# Altium PCB DB31.PcbDoc (part 1 of 8) (continued)
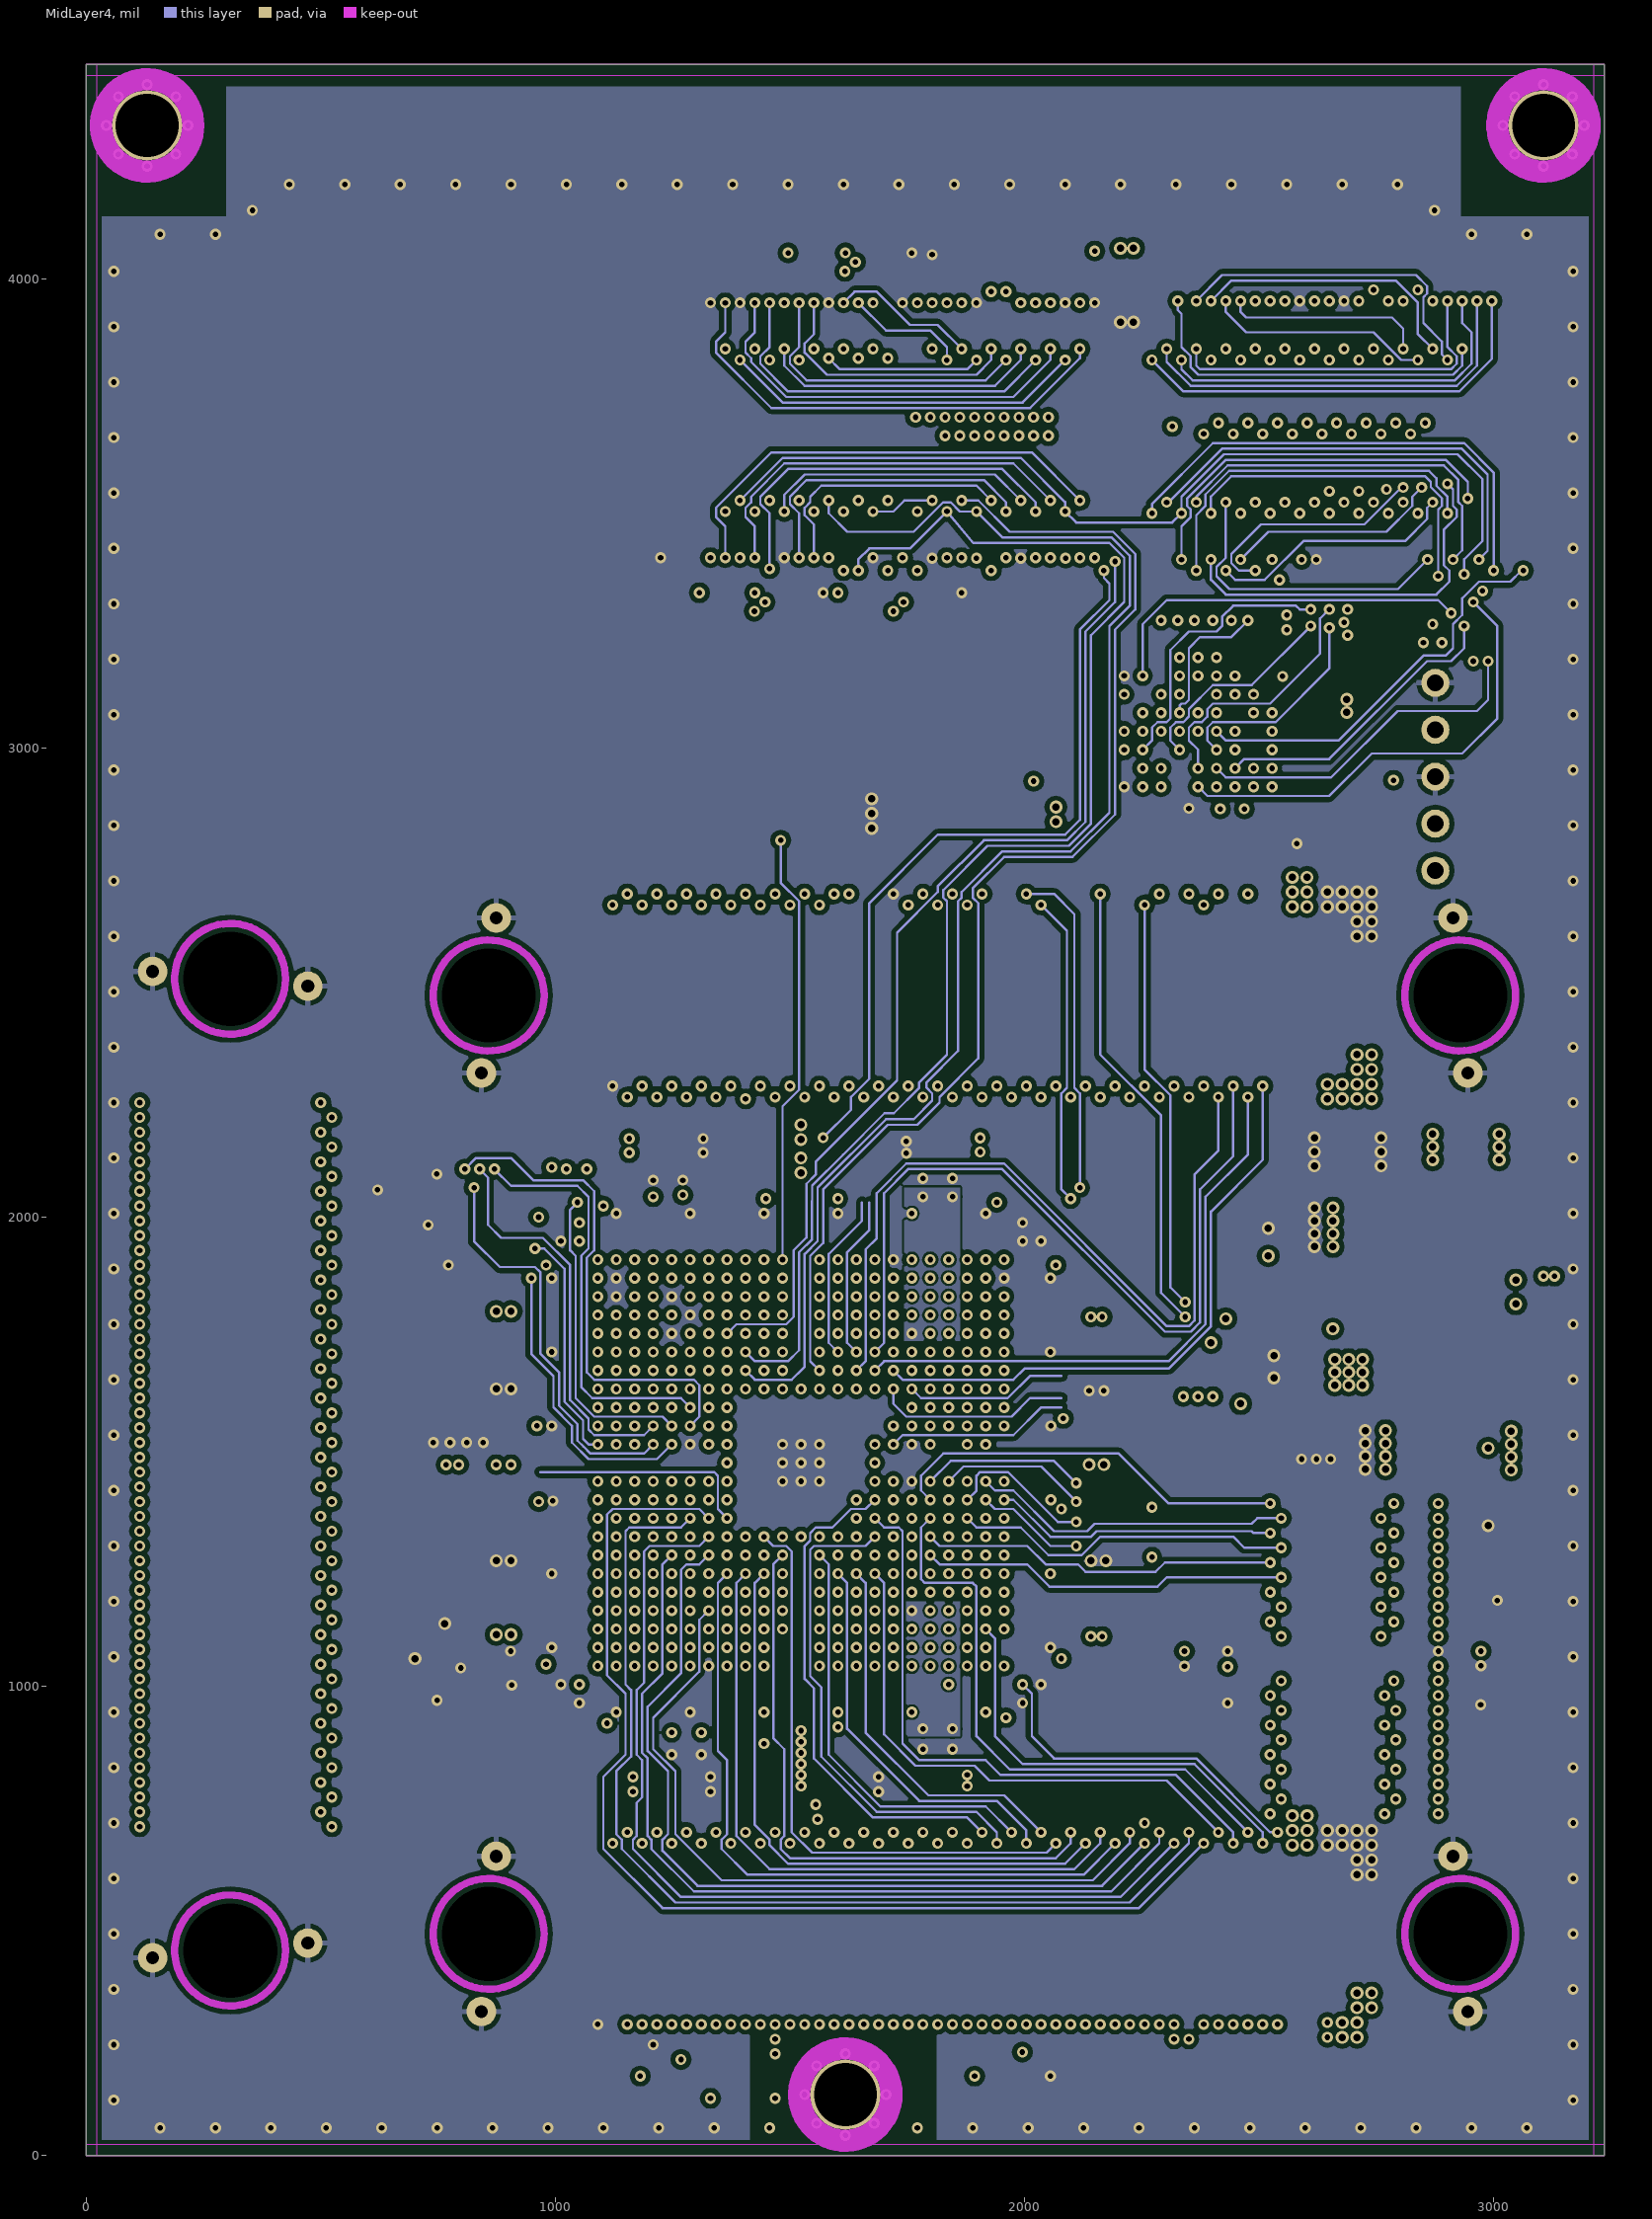
[diagram p7: MidLayer4]

## Layer stack, top to bottom
Top Solder: solder mask 0.4, Solder Resist, Dk 3.5
Top Layer: signal copper 1.7
Dielectric1: prepreg 5, FR-4, Dk 4.2
MidLayer1: signal copper 1.4
Dielectric2: core 10, FR-4, Dk 4.2
MidLayer2: signal copper 1.4
Dielectric3: prepreg 5, FR-4, Dk 4.2
GND-Layer5: plane copper 1.4, net GND
Dielectric6: core 10, FR-4, Dk 4.2
MidLayer3: signal copper 1.4
Dielectric4: prepreg 5, FR-4, Dk 4.2
VCC: plane copper 1.4, net (Multiple Nets)
Dielectric7: core 10, FR-4, Dk 4.2
MidLayer4: signal copper 1.4
Dielectric5: prepreg 5, FR-4, Dk 4.2
Bottom Layer: signal copper 1.7
Bottom Solder: solder mask 0.4, Solder Resist, Dk 3.5

## Board outline
0,0 0,4456.69 1523.62,4456.69 3236.22,4456.69 3236.22,0

## Design rules (kind name [scope] priority, off if disabled: settings)
Clearance Clearance_Poly_Tight [InNamedPolygon('FPGAPWR-BL-GND') Or InNamedPolygon('FPGAPWR-BL-1V2') Or InNamedPolygon('FPGAPWR-BL-3V3') Or InNamedPolygon('FPGAPWR-ML1-1V2') Or InNamedPolygon('FPGAPWR-TL-1V2') Or InNamedPolygon('1V2-CONNECT-TO-L1-C17' ) Or InNamedPolygon('VCCA_PLL1_BL') Or InNamedPolygon('VCCA_PLL1_MID3') Or InNamedPolygon('VCCA_PLL2_BL') Or InNamedPolygon('VCCA_PLL2_MID4') Or InNamedPolygon('VCCA_PLL3_BL') Or InNamedPolygon('VCCA_PLL3_MID3') Or InNamedPolygon('VCCA_PLL4_BL') Or InNamedPolygon('VCCA_PLL4_MID4') Or InNamedPolygon('top-layer-1V2') Or InNamedPolygon('1V2-BL') Or InNamedPolygon('LX') Or InNamedPolygon('AGND-TOP')] p1: gap=5
Clearance Clearance_Polygon [InPolygon] p2: gap=10
Clearance "Pad-Pad Clearance" [IsPad vs IsPad] p3: gap=5
Clearance "Via-Pad Clearance" [IsVia vs IsPad] p4: gap=3.94
Clearance "General Clearance" [All] p5: gap=5
ComponentClearance [All] p1 off: gap=7.87 collisioncheckmode=3 verticalgap=10 showdistances=FALSE
DiffPairsRouting [All] p1: maxlimit=5 minlimit=5 mostfreqgap=5 toplayer_minwidth=15 toplayer_maxwidth=15 toplayer_prefwidth=15 midlayer1_minwidth=15 midlayer1_maxwidth=15 midlayer1_prefwidth=15 midlayer2_minwidth=15 midlayer2_maxwidth=15 midlayer2_prefwidth=15 midlayer3_minwidth=15 midlayer3_maxwidth=15 midlayer3_prefwidth=15 midlayer4_minwidth=15 midlayer4_maxwidth=15 midlayer4_prefwidth=15 bottomlayer_minwidth=15 bottomlayer_maxwidth=15 bottomlayer_prefwidth=15 maxuncoupledlength=200
FabricationTestPointUsage TestPointUsage [All] p1 off: valid=0 allowmultiple=FALSE
FabricationTestpoint Testpoint [All] p1 off: side=3 testpointundercomponent=TRUE minsize=40 maxsize=100 preferedsize=60 minholesize=0 maxholesize=40 preferedholesize=32 testpointgrid=1 allowsidetop=TRUE allowsidebottom=TRUE usegrid=TRUE gridtolerance=0.01
HoleSize [All] p1: absolutevalues=TRUE maxlimit=204.72 minlimit=7.87 maxpercent=80.000 minpercent=20.000
HoleToHoleClearance [All] p1: gap=4 allowstackedmicrovias=TRUE
MatchedLengths DiffPair_MatchedLengths [(IsDifferentialPair And (Name = 'DIFF_RX1'))] p1: tolerance=1000 checknetsindiffpair=TRUE checkdiffpairvsdiffpair=TRUE checkothers=TRUE
MinimumAnnularRing MinimumAnnularRing_NonPlated [(ObjectKind = 'Pad') And (HoleDiameter >= '0.7') And (PadIsPlated = 'False')] p1: minimumring=-196.85
MinimumAnnularRing [All] p2: minimumring=5.91
MinimumSolderMaskSliver [All] p1: minsoldermaskwidth=3
PlaneClearance [All] p1: clearance=11.81
PlaneConnect [All] p1: planeconnectstyle=Direct reliefexpansion=19.68 reliefentries=4 reliefconductorwidth=9.84 reliefairgap=9.84
PolygonConnect PolygonConnect_Via [IsVia] p1: connectstyle=Direct reliefconductorwidth=10 reliefentries=4 polygonreliefangle="90 Angle" airgapwidth=10
PolygonConnect "PolygonConnect - Heatsink" [(HasFootprint('TO-263') AND InNet('VCCINT'))] p2: connectstyle=Direct reliefconductorwidth=10 reliefentries=4 polygonreliefangle="90 Angle" airgapwidth=10
PolygonConnect [All] p3: connectstyle=Relief reliefconductorwidth=11.81 reliefentries=4 polygonreliefangle="90 Angle" airgapwidth=10
RoutingVias [All] p1: holewidth=11.81 width=23.62 viastyle="Through Hole" minholewidth=11.81 minwidth=23.62 maxholewidth=19.68 maxwidth=35.43
ShortCircuit ShortCircuit_1 [Net = 'No Net' vs Net = 'No Net'] p1: allowed=TRUE
ShortCircuit [All] p2: allowed=FALSE
SilkToSilkClearance SilkToSilkClearance_InvToFill [(ObjectKind = 'Text') And (TextKind <> 'Stroke Font') vs IsFill] p1: silktosilkclearance=0
SilkToSilkClearance SilkToSilkClearance_Labels [(ObjectKind = 'Text') And (TextKind <> 'Stroke Font') vs (ObjectKind = 'Text') And (TextKind <> 'Stroke Font')] p2: silktosilkclearance=0
SilkToSilkClearance SilkToSilkClearance_Pb [(ObjectKind = 'Text') And (StringText = 'Pb') vs istrack and onsilkscreen] p3: silktosilkclearance=0
SilkToSilkClearance [All] p4: silktosilkclearance=2
SilkToSolderMaskClearance SilkscreenOverComponentPads [IsPad] p1: minsilkscreentomaskgap=2 clearancetoexposedcopper=TRUE
SolderMaskExpansion SolderMaskExpansion_Vias [IsVia] p1: expansion=-25.59
SolderMaskExpansion [All] p2: expansion=1.5
Width [All] p1: maxlimit=98.43 minlimit=5 preferedwidth=5
17 further rules are at their usual default settings.

## Classes and differential pairs
component class COM_SRAM: C150 C151 C152 C153 C154 C155 C156 C157 U10 U11
component class COM_SDRAM: C134 C135 C136 C137 C138 C139 C140 C141 U6 U7
component class U_PSU_MAX1831_1V2_ALT: C126 C127 C128 C129 C130 C131 C132 C133 L5 R19 R20 R21 R22 R23 TP7 TP8 U5
component class U_SRAM_K6R4016V1D-TC10T_256Kx162: C1_SM C2_SM C4_SM C146 C147 C148 C149 U1_SM U9
component class U_SRAM_K6R4016V1D-TC10T_256Kx161: C142 C143 C144 C145 U8
component class U_DaughterBoard_LEDS: C101 LED1 LED2 R1 R2 U2
component class COM_FLASH: C102 C103 C104 C105 C106 C107 U3
component class U_MOUNTS: "Altium Logo Bot1" "Altium Logo Top1" LB1 MH1 MH2 MH3
net class PLL: VCCA_PLL1 VCCA_PLL2 VCCA_PLL3 VCCA_PLL4
net class FPGACONF: CONF_DONE DATA0 DCLK FPGA_CCLK FPGA_DIN FPGA_DONE FPGA_INIT FPGA_M0 FPGA_M1 FPGA_PROGRAM FPGA_TCK FPGA_TDI FPGA_TDO FPGA_TMS MSEL0 MSEL1 NCONFIG NSTATUS TCK TDI TDO TMS
component class U_FPGA_Power: C108 C109 C110 C111 C112 C113 C114 C115 C116 C117 C118 C119 C120 C121 C122 C123 L1 L2 L3 L4
component class U_FPGA: D1 F1 J1_U NT2 NT3 NT4 NT5 NT6 NT7 NT8 R1HD R2HD R3 R3HD R4 R4HD R5 R6 R7 R8 R9 R10 R11 R12 R13 R14 R15 R16 R17 R18 R20 R25 R26 R27 U4
component class U_1WB_DS2406_EPROM: C1 C2 U1
net class SRAM2_D[15..0]: SRAM2_D0 SRAM2_D1 SRAM2_D2 SRAM2_D3 SRAM2_D4 SRAM2_D5 SRAM2_D6 SRAM2_D7 SRAM2_D8 SRAM2_D9 SRAM2_D10 SRAM2_D11 SRAM2_D12 SRAM2_D13 SRAM2_D14 SRAM2_D15
net class SRAM2_A[18..0]: SRAM2_A0 SRAM2_A1 SRAM2_A2 SRAM2_A3 SRAM2_A4 SRAM2_A5 SRAM2_A6 SRAM2_A7 SRAM2_A8 SRAM2_A9 SRAM2_A10 SRAM2_A11 SRAM2_A12 SRAM2_A13 SRAM2_A14 SRAM2_A15 SRAM2_A16 SRAM2_A17 SRAM2_A18
net class SRAM1_D[15..0]: SRAM1_D0 SRAM1_D1 SRAM1_D2 SRAM1_D3 SRAM1_D4 SRAM1_D5 SRAM1_D6 SRAM1_D7 SRAM1_D8 SRAM1_D9 SRAM1_D10 SRAM1_D11 SRAM1_D12 SRAM1_D13 SRAM1_D14 SRAM1_D15
net class SRAM1_A[18..0]: SRAM1_A0 SRAM1_A1 SRAM1_A2 SRAM1_A3 SRAM1_A4 SRAM1_A5 SRAM1_A6 SRAM1_A7 SRAM1_A8 SRAM1_A9 SRAM1_A10 SRAM1_A11 SRAM1_A12 SRAM1_A13 SRAM1_A14 SRAM1_A15 SRAM1_A16 SRAM1_A17 SRAM1_A18
component class U_PSU: C124 C125 NT8 TP1 TP2 TP3 TP4 TP5
net class EXTEND_C[49..0]: EXTEND_C0 EXTEND_C1 EXTEND_C2 EXTEND_C3 EXTEND_C4 EXTEND_C5 EXTEND_C6 EXTEND_C7 EXTEND_C8 EXTEND_C9 EXTEND_C10 EXTEND_C11 EXTEND_C12 EXTEND_C13 EXTEND_C14 EXTEND_C15 EXTEND_C16 EXTEND_C17 EXTEND_C18 EXTEND_C19 EXTEND_C20 EXTEND_C21 EXTEND_C22 EXTEND_C23 EXTEND_C24 EXTEND_C25 EXTEND_C26 EXTEND_C27 EXTEND_C28 EXTEND_C29 EXTEND_C30 EXTEND_C31 EXTEND_C32 EXTEND_C33 EXTEND_C34 EXTEND_C35 EXTEND_C36 EXTEND_C37 EXTEND_C38 EXTEND_C39 EXTEND_C40 EXTEND_C41 EXTEND_C42 EXTEND_C43 EXTEND_C44 EXTEND_C45 EXTEND_C46 EXTEND_C47 EXTEND_C48 EXTEND_C49
net class EXTEND_B[49..0]: EXTEND_B0 EXTEND_B1 EXTEND_B2 EXTEND_B3 EXTEND_B4 EXTEND_B5 EXTEND_B6 EXTEND_B7 EXTEND_B8 EXTEND_B9 EXTEND_B10 EXTEND_B11 EXTEND_B12 EXTEND_B13 EXTEND_B14 EXTEND_B15 EXTEND_B16 EXTEND_B17 EXTEND_B18 EXTEND_B19 EXTEND_B20 EXTEND_B21 EXTEND_B22 EXTEND_B23 EXTEND_B24 EXTEND_B25 EXTEND_B26 EXTEND_B27 EXTEND_B28 EXTEND_B29 EXTEND_B30 EXTEND_B31 EXTEND_B32 EXTEND_B33 EXTEND_B34 EXTEND_B35 EXTEND_B36 EXTEND_B37 EXTEND_B38 EXTEND_B39 EXTEND_B40 EXTEND_B41 EXTEND_B42 EXTEND_B43 EXTEND_B44 EXTEND_B45 EXTEND_B46 EXTEND_B47 EXTEND_B48 EXTEND_B49
net class EXTEND_A[49..0]: EXTEND_A0 EXTEND_A1 EXTEND_A2 EXTEND_A3 EXTEND_A4 EXTEND_A5 EXTEND_A6 EXTEND_A7 EXTEND_A8 EXTEND_A9 EXTEND_A10 EXTEND_A11 EXTEND_A12 EXTEND_A13 EXTEND_A14 EXTEND_A15 EXTEND_A16 EXTEND_A17 EXTEND_A18 EXTEND_A19 EXTEND_A20 EXTEND_A21 EXTEND_A22 EXTEND_A23 EXTEND_A24 EXTEND_A25 EXTEND_A26 EXTEND_A27 EXTEND_A28 EXTEND_A29 EXTEND_A30 EXTEND_A31 EXTEND_A32 EXTEND_A33 EXTEND_A34 EXTEND_A35 EXTEND_A36 EXTEND_A37 EXTEND_A38 EXTEND_A39 EXTEND_A40 EXTEND_A41 EXTEND_A42 EXTEND_A43 EXTEND_A44 EXTEND_A45 EXTEND_A46 EXTEND_A47 EXTEND_A48 EXTEND_A49
net class DAU_TFT_RED[4..0]: DAU_TFT_RED0 DAU_TFT_RED1 DAU_TFT_RED2 DAU_TFT_RED3 DAU_TFT_RED4
net class DAU_TFT_GREEN[5..0]: DAU_TFT_GREEN0 DAU_TFT_GREEN1 DAU_TFT_GREEN2 DAU_TFT_GREEN3 DAU_TFT_GREEN4 DAU_TFT_GREEN5
net class DAU_TFT_CL[3..1]: DAU_TFT_CL1 DAU_TFT_CL2 DAU_TFT_CL3
net class DAU_TFT_BLUE[4..0]: DAU_TFT_BLUE0 DAU_TFT_BLUE1 DAU_TFT_BLUE2 DAU_TFT_BLUE3 DAU_TFT_BLUE4
net class BUS_A[24..1]: BUS_A1 BUS_A2 BUS_A3 BUS_A4 BUS_A5 BUS_A6 BUS_A7 BUS_A8 BUS_A9 BUS_A10 BUS_A11 BUS_A12 BUS_A13 BUS_A14 BUS_A15 BUS_A16 BUS_A17 BUS_A18 BUS_A19 BUS_A20 BUS_A21 BUS_A22 BUS_A23 BUS_A24
component class U_Bypass_Board: C1_PSU C4_MB C6_MB C99 C100
component class U_Bypass_3V3: C35 C36 C37 C38 C39 C40 C41 C42 C43 C44 C45 C46 C47 C48 C49 C50 C51 C52 C53 C54 C55 C56 C57 C58 C59 C60 C61 C62 C63 C64 C65 C66 C67 C68 C69 C70 C71 C72 C73 C74 C75 C76 C77 C78 C79 C80 C81 C82 C83 C84 C85 C86 C87 C88 C89 C90 C91 C92 C93 C94 C95 C96 C97 C98 C102_FP C103_FP C104_FP C105_FP C106_FP
component class U_Bypass_1V2: C3 C4 C5 C6 C7 C8 C9 C10 C11 C12 C13 C14 C15 C16 C17 C18 C19 C20 C21 C22 C23 C24 C25 C26 C27 C28 C29 C30 C31 C32 C33 C34
component class U_MotherBoardConnectors: HDR_B1 HDR_L HDR_L1 HDR_T1 NT1
net class BUS_D[31..0]: BUS_D0 BUS_D1 BUS_D2 BUS_D3 BUS_D4 BUS_D5 BUS_D6 BUS_D7 BUS_D8 BUS_D9 BUS_D10 BUS_D11 BUS_D12 BUS_D13 BUS_D14 BUS_D15 BUS_D16 BUS_D17 BUS_D18 BUS_D19 BUS_D20 BUS_D21 BUS_D22 BUS_D23 BUS_D24 BUS_D25 BUS_D26 BUS_D27 BUS_D28 BUS_D29 BUS_D30 BUS_D31
net class BUS_NBE[3..0]: BUS_NBE0 BUS_NBE1 BUS_NBE2 BUS_NBE3
net class DIP[7..0]: DIP0 DIP1 DIP2 DIP3 DIP4 DIP5 DIP6 DIP7
net class FPGA_ID[3..0]: FPGA_ID0 FPGA_ID1 FPGA_ID2 FPGA_ID3
net class FPGA_M[2..0]: FPGA_M0 FPGA_M1 FPGA_M2
net class IO[35..0]: IO0 IO1 IO2 IO3 IO4 IO5 IO6 IO7 IO8 IO9 IO10 IO11 IO12 IO13 IO14 IO15 IO16 IO17 IO18 IO19 IO20 IO21 IO22 IO23 IO24 IO25 IO26 IO27 IO28 IO29 IO30 IO31 IO32 IO33 IO34 IO35
net class LED[7..0]: LED0 LED1 LED2 LED3 LED4 LED5 LED6 LED7
net class SW[4..0]: SW0 SW1 SW2 SW3 SW4
differential pair class DIFF_IN: DIFF_RX0 DIFF_RX1 DIFF_RX2 DIFF_RX3
differential pair class DIFF_OUT: DIFF_TX0 DIFF_TX1 DIFF_TX2 DIFF_TX3
net class PWRNET: 1V2 3V3 5V0 AGND GND
component class U_CommonMemory_Termination: RN1 RN2 RN3 RN4 RN5 RN6
component class U_DB31_Hardware_Kit: PCB1
channel class SRAM_256Kx16_TSOP44: U_SRAM_K6R4016V1D-TC10T_256Kx161 U_SRAM_K6R4016V1D-TC10T_256Kx162

## Components (designator, comment, footprint, x,y, rotation, side; value= is the part's Value field where it differs from the comment)
"Altium Logo Bot1" "Altium" Logo-Altium 2177.17,129.92 r180 bottom
"Altium Logo Top1" "Altium" Logo-Altium 1051.18,129.92 r0 top
C1 "0.1uF 16V" CAPC1005-STAR 2807.08,3015.74 r180 bottom
C2 "10nF 16V" CAPC1005-STAR 2807.08,2968.5 r0 bottom
C3 "220uF 10V" CAPC7343-STAR 2492.13,1551.18 r0 bottom (schematic designator C5_MB)
C4 "10uF 10V" CAPC2012-STAR 889.76,1551.18 r90 bottom (schematic designator C1_FP)
C5 "10uF 10V" CAPC2012-STAR 1606.3,791.34 r0 bottom (schematic designator C2_FP)
C6 "10uF 10V" CAPC2012-STAR 2153.54,1551.18 r90 bottom (schematic designator C3_FP)
C7 "0.1uF 16V" CAPC1005-STAR 1397.64,1582.67 r270 bottom (schematic designator C4_FP)
C8 "0.1uF 16V" CAPC1005-STAR 1468.5,1582.67 r270 bottom (schematic designator C5_FP)
C9 "0.1uF 16V" CAPC1005-STAR 1539.37,1582.67 r270 bottom (schematic designator C6_FP)
C10 "0.1uF 16V" CAPC1005-STAR 1610.23,1582.67 r270 bottom (schematic designator C7_FP)
C11 "0.1uF 16V" CAPC1005-STAR 1681.1,1582.67 r270 bottom (schematic designator C8_FP)
C12 "0.1uF 16V" CAPC1005-STAR 1629.92,1496.06 r180 bottom (schematic designator C9_FP)
C13 "0.1uF 16V" CAPC1005-STAR 1629.92,1429.13 r180 bottom (schematic designator C10_FP)
C14 "0.1uF 16V" CAPC1005-STAR 1574.8,1370.08 r90 bottom (schematic designator C11_FP)
C15 "0.1uF 16V" CAPC1005-STAR 1503.93,1370.08 r90 bottom (schematic designator C12_FP)
C16 "0.1uF 16V" CAPC1005-STAR 1433.07,1370.08 r90 bottom (schematic designator C13_FP)
C17 "0.1uF 16V" CAPC1005-STAR 1417.32,1421.26 r0 bottom (schematic designator C14_FP)
C18 "0.1uF 16V" CAPC1005-STAR 1417.32,1492.12 r0 bottom (schematic designator C15_FP)
C19 "0.1uF 16V" CAPC1005-STAR 1417.32,1527.56 r0 bottom (schematic designator C16_FP)
C20 "10nF 16V" CAPC1005-STAR 1433.07,1582.67 r270 bottom (schematic designator C17_FP)
C21 "10nF 16V" CAPC1005-STAR 1503.93,1582.67 r270 bottom (schematic designator C18_FP)
C22 "10nF 16V" CAPC1005-STAR 1574.8,1582.67 r270 bottom (schematic designator C19_FP)
C23 "10nF 16V" CAPC1005-STAR 1645.67,1582.67 r270 bottom (schematic designator C20_FP)
C24 "10nF 16V" CAPC1005-STAR 1629.92,1531.49 r180 bottom (schematic designator C21_FP)
C25 "10nF 16V" CAPC1005-STAR 1629.92,1460.63 r180 bottom (schematic designator C22_FP)
C26 "10nF 16V" CAPC1005-STAR 1610.23,1370.08 r90 bottom (schematic designator C23_FP)
C27 "10nF 16V" CAPC1005-STAR 1539.37,1370.08 r90 bottom (schematic designator C24_FP)
C28 "10nF 16V" CAPC1005-STAR 1468.5,1370.08 r90 bottom (schematic designator C25_FP)
C29 "10nF 16V" CAPC1005-STAR 1397.64,1370.08 r90 bottom (schematic designator C26_FP)
C30 "10nF 16V" CAPC1005-STAR 1417.32,1456.69 r0 bottom (schematic designator C27_FP)
C31 "10nF 16V" CAPC1005-STAR 1523.62,1692.91 r90 bottom (schematic designator C28_FP)
C32 "10nF 16V" CAPC1005-STAR 1307.08,1476.37 r180 bottom (schematic designator C29_FP)
C33 "10nF 16V" CAPC1005-STAR 1523.62,1259.84 r270 bottom (schematic designator C30_FP)
C34 "10nF 16V" CAPC1005-STAR 1740.15,1476.37 r0 bottom (schematic designator C31_FP)
C35 "10uF 10V" CAPC2012-STAR 1236.22,2153.54 r0 bottom (schematic designator C38_FP)
C36 "10uF 10V" CAPC2012-STAR 889.76,1716.53 r270 bottom (schematic designator C39_FP)
C37 "10uF 10V" CAPC2012-STAR 1826.89,2152.54 r180 bottom (schematic designator C40_FP)
C38 "10uF 10V" CAPC2012-STAR 889.76,1188.97 r90 bottom (schematic designator C41_FP)
C39 "10uF 10V" CAPC2012-STAR 2153.54,1708.66 r270 bottom (schematic designator C42_FP)
C40 "10uF 10V" CAPC2012-STAR 2157.48,1185.04 r90 bottom (schematic designator C43_FP)
C41 "10uF 10V" CAPC2012-STAR 1795.27,791.34 r180 bottom (schematic designator C44_FP)
C42 "10uF 10V" CAPC2012-STAR 1248.03,791.34 r0 bottom (schematic designator C45_FP)
C43 "0.1uF 16V" CAPC1005-STAR 1523.63,1082.68 r270 bottom (schematic designator C46_FP)
C44 "0.1uF 16V" CAPC1005-STAR 1129.92,1476.38 r180 bottom (schematic designator C47_FP)
C45 "0.1uF 16V" CAPC1005-STAR 1208.66,1476.38 r0 bottom (schematic designator C48_FP)
C46 "0.1uF 16V" CAPC1005-STAR 1917.33,1476.38 r0 bottom (schematic designator C49_FP)
C47 "0.1uF 16V" CAPC1005-STAR 1523.63,1791.34 r270 bottom (schematic designator C50_FP)
C48 "0.1uF 16V" CAPC1005-STAR 1523.62,1161.41 r90 bottom (schematic designator C51_FP)
C49 "0.1uF 16V" CAPC1005-STAR 1523.62,1870.08 r90 bottom (schematic designator C52_FP)
C50 "0.1uF 16V" CAPC1005-STAR 1838.59,1476.38 r180 bottom (schematic designator C53_FP)
C51 "0.1uF 16V" CAPC1005-STAR 2015.75,1279.53 r0 bottom (schematic designator C54_FP)
C52 "0.1uF 16V" CAPC1005-STAR 2015.75,1122.05 r0 bottom (schematic designator C55_FP)
C53 "0.1uF 16V" CAPC1005-STAR 2015.74,1515.74 r0 bottom (schematic designator C56_FP)
C54 "0.1uF 16V" CAPC1005-STAR 2015.75,1200.79 r0 bottom (schematic designator C57_FP)
C55 "0.1uF 16V" CAPC1005-STAR 2015.75,1673.23 r0 bottom (schematic designator C58_FP)
C56 "0.1uF 16V" CAPC1005-STAR 2015.75,1751.97 r0 bottom (schematic designator C59_FP)
C57 "0.1uF 16V" CAPC1005-STAR 2015.75,1830.71 r0 bottom (schematic designator C60_FP)
C58 "0.1uF 16V" CAPC1005-STAR 2015.74,1594.49 r0 bottom (schematic designator C61_FP)
C59 "10nF 16V" CAPC1005-STAR 1641.73,1968.5 r90 bottom (schematic designator C62_FP)
C60 "10nF 16V" CAPC1005-STAR 1877.95,1968.5 r90 bottom (schematic designator C63_FP)
C61 "10nF 16V" CAPC1005-STAR 1799.21,1968.5 r90 bottom (schematic designator C64_FP)
C62 "10nF 16V" CAPC1005-STAR 1720.47,1968.5 r90 bottom (schematic designator C65_FP)
C63 "10nF 16V" CAPC1005-STAR 1169.29,1968.5 r90 bottom (schematic designator C66_FP)
C64 "10nF 16V" CAPC1005-STAR 1326.77,1968.5 r90 bottom (schematic designator C67_FP)
C65 "10nF 16V" CAPC1005-STAR 1405.51,1968.5 r90 bottom (schematic designator C68_FP)
C66 "10nF 16V" CAPC1005-STAR 1248.03,1968.5 r90 bottom (schematic designator C69_FP)
C67 "10nF 16V" CAPC1005-STAR 1031.5,1751.97 r180 bottom (schematic designator C70_FP)
C68 "10nF 16V" CAPC1005-STAR 1031.5,1594.49 r180 bottom (schematic designator C71_FP)
C69 "10nF 16V" CAPC1005-STAR 1031.5,1200.79 r180 bottom (schematic designator C72_FP)
C70 "10nF 16V" CAPC1005-STAR 1031.5,1122.05 r180 bottom (schematic designator C73_FP)
C71 "10nF 16V" CAPC1005-STAR 1031.5,1673.23 r180 bottom (schematic designator C74_FP)
C72 "10nF 16V" CAPC1005-STAR 1031.5,1279.53 r180 bottom (schematic designator C75_FP)
C73 "10nF 16V" CAPC1005-STAR 1031.5,1830.71 r180 bottom (schematic designator C76_FP)
C74 "10nF 16V" CAPC1005-STAR 1031.5,1358.27 r180 bottom (schematic designator C77_FP)
C75 "10nF 16V" CAPC1005-STAR 1169.29,984.25 r270 bottom (schematic designator C78_FP)
C76 "10nF 16V" CAPC1005-STAR 1641.73,984.25 r270 bottom (schematic designator C79_FP)
C77 "10nF 16V" CAPC1005-STAR 1799.21,984.25 r270 bottom (schematic designator C80_FP)
C78 "10nF 16V" CAPC1005-STAR 1405.51,984.25 r270 bottom (schematic designator C81_FP)
C79 "10nF 16V" CAPC1005-STAR 1720.47,984.25 r270 bottom (schematic designator C82_FP)
C80 "10nF 16V" CAPC1005-STAR 1326.77,984.25 r270 bottom (schematic designator C83_FP)
C81 "10nF 16V" CAPC1005-STAR 1248.03,984.25 r270 bottom (schematic designator C84_FP)
C82 "10nF 16V" CAPC1005-STAR 1877.95,984.25 r270 bottom (schematic designator C85_FP)
C83 "10nF 16V" CAPC1005-STAR 1956.7,1968.5 r90 bottom (schematic designator C86_FP)
C84 "10nF 16V" CAPC1005-STAR 1562.99,984.25 r270 bottom (schematic designator C87_FP)
C85 "10nF 16V" CAPC1005-STAR 1090.55,984.25 r270 bottom (schematic designator C88_FP)
C86 "10nF 16V" CAPC1005-STAR 1031.5,1043.31 r180 bottom (schematic designator C89_FP)
C87 "10nF 16V" CAPC1005-STAR 1484.25,984.25 r270 bottom (schematic designator C90_FP)
C88 "10nF 16V" CAPC1005-STAR 2015.75,1043.31 r0 bottom (schematic designator C91_FP)
C89 "10nF 16V" CAPC1005-STAR 2015.75,1909.45 r0 bottom (schematic designator C92_FP)
C90 "10nF 16V" CAPC1005-STAR 1956.7,984.25 r270 bottom (schematic designator C93_FP)
C91 "10nF 16V" CAPC1005-STAR 1484.25,1968.5 r90 bottom (schematic designator C94_FP)
C92 "10nF 16V" CAPC1005-STAR 1090.55,1968.5 r90 bottom (schematic designator C95_FP)
C93 "10nF 16V" CAPC1005-STAR 1031.5,1437.01 r180 bottom (schematic designator C96_FP)
C94 "10nF 16V" CAPC1005-STAR 1031.5,1515.75 r180 bottom (schematic designator C97_FP)
C95 "10nF 16V" CAPC1005-STAR 1031.5,1909.45 r180 bottom (schematic designator C98_FP)
C96 "10nF 16V" CAPC1005-STAR 2015.75,1437.01 r0 bottom (schematic designator C99_FP)
C97 "10nF 16V" CAPC1005-STAR 2015.75,1358.27 r0 bottom (schematic designator C100_FP)
C98 "10nF 16V" CAPC1005-STAR 1562.99,1968.5 r90 bottom (schematic designator C101_FP)
C99 "220uF 10V" CAPC7343-STAR 681.1,1255.9 r270 bottom (schematic designator C1_MB)
C100 "220uF 10V" CAPC7343-STAR 1870.07,2862.2 r180 bottom (schematic designator C2_MB)
C101 "0.1uF 16V" CAPC1005-STAR 1259.84,236.22 r0 bottom (schematic designator C1_SL)
C102 "0.1uF 16V" CAPC1005-STAR 2370.07,2799.21 r180 bottom (schematic designator C1)
C103 "0.1uF 16V" CAPC1005-STAR 2263.78,3233.27 r180 bottom (schematic designator C2)
C104 "10nF 16V" CAPC1005-STAR 2185.04,2969.49 r270 bottom (schematic designator C3)
C105 "10nF 16V" CAPC1005-STAR 2370.07,2842.51 r180 bottom (schematic designator C4)
C106 "10nF 16V" CAPC1005-STAR 2263.78,3186.02 r180 bottom (schematic designator C5)